# Altium PCB PCB-Tester-Board-V1.PcbDoc (part 2 of 3) (continued)
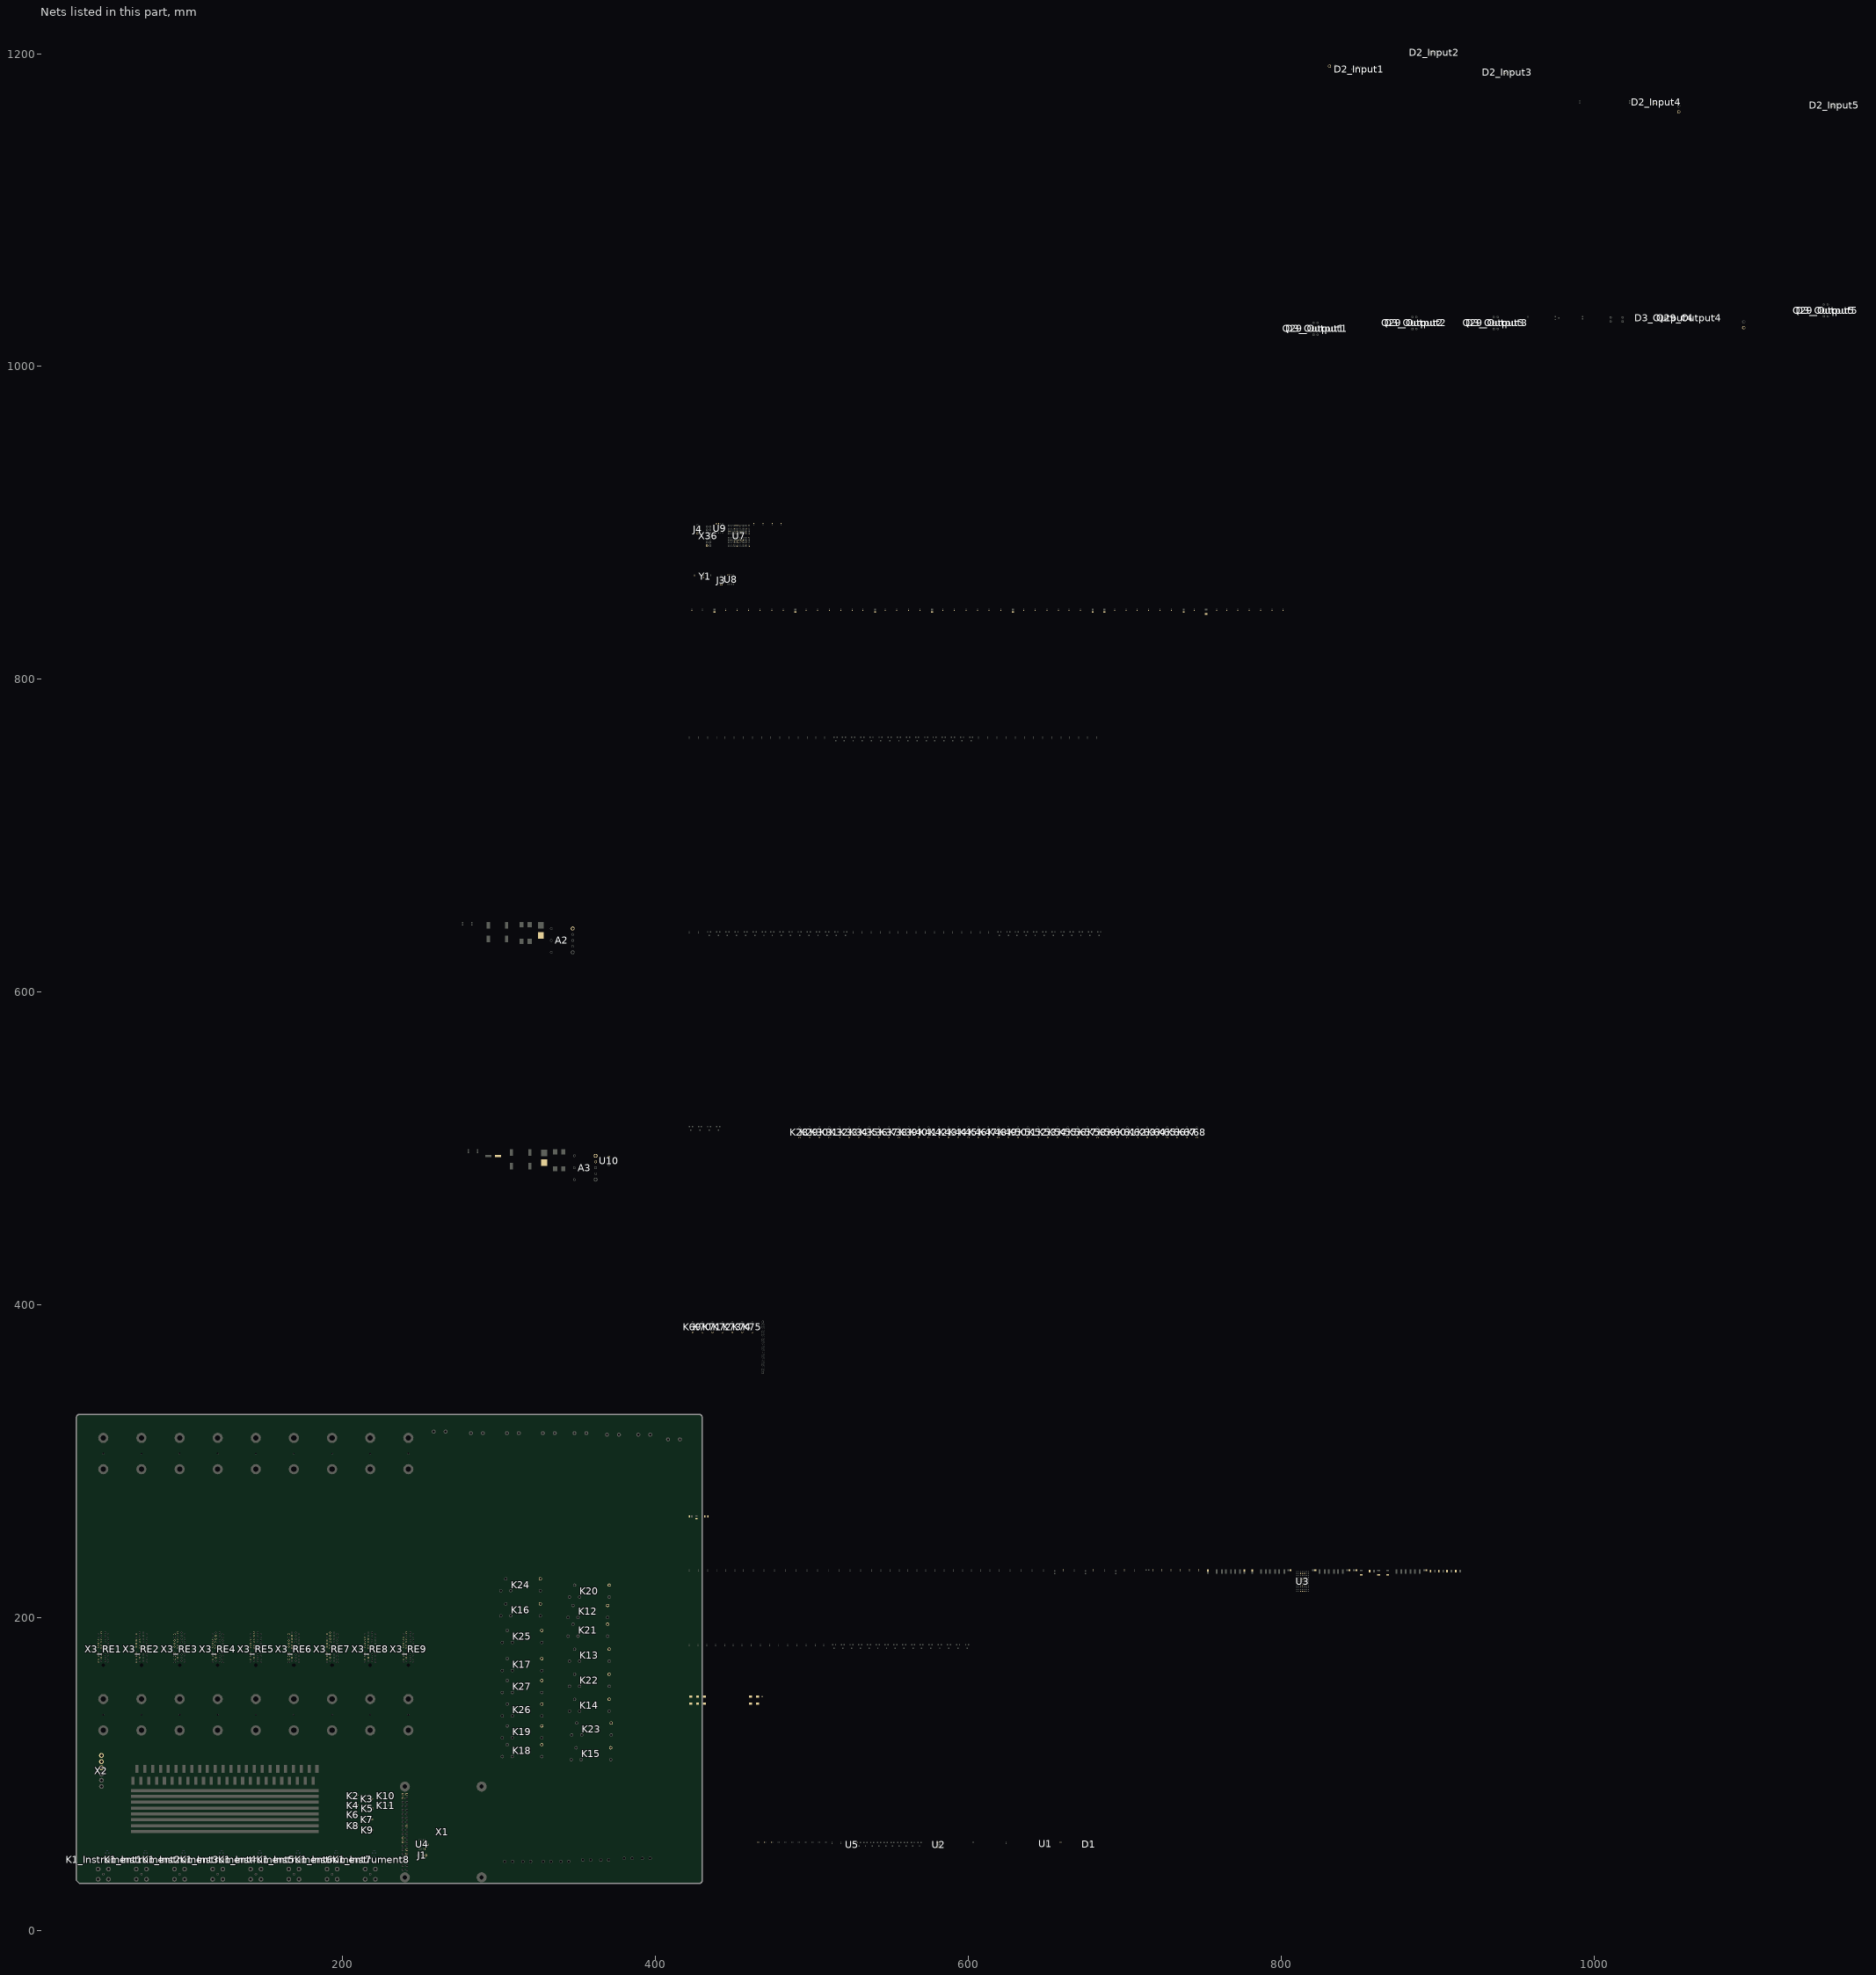
[diagram p2: the nets of this part, all layers, seen from the top]
## Part data (continued)
F1: library part Fuse, "FUSE BRD MNT 2.5A 125VAC/VDC SMD", 02. Distributor Part Number=F1306DKR-ND, 04. Manufacturer="Littelfuse Inc.", 07. Manufacturer  Part Number=015402.5DRT, 09. Operating Temperature="-55°C ~ 125°C", 01. Distributor=DigiKey, 03. Unit Price=2.75, 3D-Export=No, 11. RoHS=YES, 13. Created Date/Name="AUG 2018 / Hören", ComponentLink1Description=Info, ComponentLink1URL=https://www.digikey.de/products/en/circuit-protection/fuses/139?k=&pkeyword=&sv=0&pv7=243&sf=0&FV=ffec3b86%2Cffec4f0c%2Cffec8a72%2Cffec8a73%2Cfffc0012%2C55c00d7%2C1f140000%2Cffe0008b%2Cmu2.5A%7C2088&quantity=&ColumnSort=0&page=1&pageSize=25, ComponentLink2Description=DataSheet, ComponentLink2URL=https://www.littelfuse.com/~/media/electronics/datasheets/fuses/littelfuse_fuse_154_154t_154l_154tl_datasheet.pdf.pdf, Speed=SLOW
F2: library part Fuse, "FUSE BOARD MNT 3A 125VAC/VDC SMD", 02. Distributor Part Number=F10747DKR-ND, 04. Manufacturer="Littelfuse Inc.", 07. Manufacturer  Part Number=0154003.DRTL, 09. Operating Temperature="-55°C ~ 125°C", 01. Distributor=DigiKey, 03. Unit Price=2.84, 3D-Export=No, 11. RoHS=YES, 13. Created Date/Name="AUG 2018 / Hören", ComponentLink1Description=Info, ComponentLink1URL=https://www.digikey.de/product-detail/en/littelfuse-inc/0154003.DRTL/F10747DKR-ND/8109626, ComponentLink2Description=DataSheet, ComponentLink2URL=https://www.littelfuse.com/~/media/electronics/datasheets/fuses/littelfuse_fuse_154_154t_154l_154tl_datasheet.pdf.pdf, Speed=SLOW
J1 J3 J4: library part "Header 3Pins 100mil", "CONN HEADER VERT 3POS 2.54MM", 02. Distributor Part Number=HMTSW-103-07-G-S-240, 04. Manufacturer="Samtec Inc.", 01. Distributor="Samtec Inc.", 03. Unit Price=0.25, 07. Manufacturer  Part Number=HMTSW-103-07-G-S-240, 11. RoHS=YES, 13. Created Date/Name=AUG2018/Hören, ComponentLink1Description=Info, ComponentLink1URL=https://www.samtec.com/products/hmtsw-103-07-g-s-240, ComponentLink2Description=DataSheet, ComponentLink2URL=http://suddendocs.samtec.com/catalog_english/hmtsw.pdf
J2: library part NT, "Net Tie", 02. Distributor Part Number=N/A, 01. Distributor=N/A, 03. Unit Price=N/A, 04. Manufacturer=N/A, 05. Quantity=N/A, 06. Data Sheet=N/A, 07. Manufacturer  Part Number=N/A, 08. Inhouse Stock=N/A, 09. Operating Temperature=N/A, 10. Weight=N/A, 11. RoHS=N/A, 12.UL94 Flammability=N/A, 13. Created Date/Name=AUG2018/Hören, ComponentLink1Description=Info, ComponentLink2Description=DataSheet
J5 J6 J7 J8 J9 J10 J11 J12: library part "Jumper SMD", "RES SMD 0 OHM JUMPER 1/10W 0603", 02. Distributor Part Number=311-0.0GRDKR-ND, 04. Manufacturer=Yageo, 07. Manufacturer  Part Number=RC0603JR-070RL, 09. Operating Temperature="-55°C ~ 155°C", Package=0603, 01. Distributor=DigiKey, 03. Unit Price=0.09, 11. RoHS=YES, ComponentLink4Description=Info, ComponentLink4URL=https://www.digikey.de/product-detail/en/yageo/RC0603JR-070RL/311-0.0GRDKR-ND/732569, ComponentLink5Description=DataSheet, ComponentLink5URL=http://www.yageo.com/documents/recent/PYu-RC_Group_51_RoHS_L_10.pdf, POPULATED=MNT
K1_Instrument1 K1_Instrument2 K1_Instrument3 K1_Instrument4 K1_Instrument5 K1_Instrument6 K1_Instrument7 K1_Instrument8 K2 K3 K4 K5 K6 K7 K8 K9 K10 K11 K28 K29 K30 K31 K32 K33 K34 K35 K36 K37 K38 K39 K40 K41 K42 K43 K44 K45 K46 K47 K48 K49 K50 K51 K52 K53 K54 K55 K56 K57 K58 K59 K60 K61 K62 K63 K64 K65 K66 K67 K68 K69 K70 K71 K72 K73 K74 K75: library part 118-1-A-5/2D, "5V Signal Relais, Normal Open", 04. Manufacturer=Pickering, 09. Operating Temperature="-20°C ~ +85°C", Coil Resistance="1500 Ohm", Coil Voltage=5V, Max Carry Current="1.2 A", Max Switch Current=1A, Max Switch Voltage=200V, Power Rating=15W, 01. Distributor=Pickering, 02. Distributor Part Number=118-1-A-5/2D, 03. Unit Price=2.60, 05. Quantity=1000, 06. Data Sheet=Pickering_series_118.pdf, 07. Manufacturer  Part Number=118-1-A-5/2D, 11. RoHS=2011/65/EU, 13. Created Date/Name="20.12.17 S. Kaiser", ComponentLink1Description=Info, ComponentLink1URL=http://www.pickeringrelay.com/, ComponentLink2Description=DataSheet, ComponentLink2URL=https://www.pickeringrelay.com/products/single-line-sil-series-111-119/single-line-sil-series-118/
K12 K13 K14 K15 K16 K17 K18 K19 K20 K21 K22 K23 K24 K25 K26 K27: library part HF118F005-1ZS1, "5V Power Relay, switch over", 02. Distributor Part Number=176-2821, 04. Manufacturer="Hongfa Europe GMBH", 07. Manufacturer  Part Number=HF118F/005-1ZS1T(136), 09. Operating Temperature=-xx..+yy°C, Coil Resistance=113O, Coil Voltage=5V, Max Carry Current=10A, Max Switch Voltage=440Vac/125Vdc, Power Rating=300Wdc/2.5KVAac, 01. Distributor=RS-Components, 03. Unit Price=2.60, 11. RoHS=YES, 13. Created Date/Name=AUG2018/Hören, ComponentLink1Description=Info, ComponentLink1URL=https://de.rs-online.com/web/p/monostabile-relais/1762821/, ComponentLink2Description=DataSheet, ComponentLink2URL=https://docs.rs-online.com/c37d/0900766b81663e9a.pdf, Max Switch Current=10A
L1: library part FB, "FERRITE BEAD 600 OHM 0805 1LN", 02. Distributor Part Number=732-1620-6-ND, 04. Manufacturer="Würth Elektronik", 07. Manufacturer  Part Number=742792040, 09. Operating Temperature="-55°C ~ 125°C", Impedance Tolerance=%, Package=0805, 01. Distributor=DigiKey, 03. Unit Price=0.22, 11. RoHS=YES, 13. Created Date/Name=AUG2018/Hören, ComponentLink1Description=Info, ComponentLink1URL=https://www.digikey.de/products/en?keywords=732-1620-6-ND, ComponentLink2Description=DataSheet, ComponentLink2URL=https://www.we-online.de/katalog/datasheet/742792040.pdf, DCR=150m?, IRMS=2A, Nominal Impedance="600? @ 100MHz"
L2 L3: library part ACM1211-102-2PL-TL01, "CMC 6A 2LN 1 KOHM SMD", 02. Distributor Part Number=445-2213-2-ND, 04. Manufacturer=TDK, 09. Operating Temperature="-40°C ~ 85°C", Current Rating=6A, Voltage Rating=80V, 01. Distributor=DigiKey, 03. Unit Price=0.953, 3D-Export=No, 05. Quantity=500, 07. Manufacturer  Part Number=ACM1211-102-2PL-TL01, 11. RoHS=YES, 13. Created Date/Name="AUG 2018 / Hören", ComponentLink1Description=Info, ComponentLink1URL=https://www.digikey.de/product-detail/en/tdk-corporation/ACM1211-102-2PL-TL01/445-2213-2-ND/765031, ComponentLink2Description=DataSheet, ComponentLink2URL=https://product.tdk.com/info/en/catalog/datasheets/cmf_commercial_power_acm1211_en.pdf, DCR=14mOhm, Type="Power Line"
Q1 Q2 Q3 Q4 Q5 Q6 Q7 Q8 Q9 Q10 Q11 Q12 Q13 Q14 Q15 Q16 Q17 Q18 Q19 Q20 Q21 Q22 Q23 Q24 Q25 Q26 Q27 Q28 Q30_Output1 Q30_Output2 Q30_Output3 Q30_Output4 Q30_Output5 Q31 Q32 Q33 Q34 Q35 Q36 Q37 Q38 Q39 Q40 Q41 Q42 Q43 Q44 Q45 Q46 Q47 Q48 Q49 Q50 Q51 Q52 Q53 Q54 Q55 Q56 Q57 Q58 Q59 Q60 Q61 Q62 Q63 Q64 Q65 Q66 Q67 Q68 Q69 Q70 Q71 Q72 Q73 Q74 Q75 Q76 Q77_Instrument1 Q77_Instrument2 Q77_Instrument3 Q77_Instrument4 Q77_Instrument5 Q77_Instrument6 Q77_Instrument7 Q77_Instrument8: library part FDV303N, "MOSFET N-CH 25V 680MA SOT-23", 02. Distributor Part Number=FDV303NDKR-ND, 04. Manufacturer="ON Semiconductor", 09. Operating Temperature="-55°C ~ 150°C (TJ)", Power Rating=350mW, 01. Distributor=DigiKey, 03. Unit Price=0.41, 3D-Export=No, 07. Manufacturer  Part Number=FDV303N, 11. RoHS=YES, 13. Created Date/Name="AUG 2018 / Hören", ComponentLink1Description=Info, ComponentLink1URL=https://www.digikey.de/product-detail/en/on-semiconductor/FDV303N/FDV303NDKR-ND/1630434, ComponentLink2Description=DataSheet, ComponentLink2URL=https://media.digikey.com/pdf/Data%20Sheets/Fairchild%20PDFs/FDV303N.pdf, Id=680mA, Rds On="450 m? @ id=500mA & Vgs=4.5V", Vdss=25V, Vgs,th="1.5V @ 250uA"
Q29_Output1 Q29_Output2 Q29_Output3 Q29_Output4 Q29_Output5: library part MMSS8550-L-TP, "TRANS PNP 25V 1.5A SOT-23", 02. Distributor Part Number=MMSS8550-L-TPMSDKR-ND, 04. Manufacturer="Micro Commercial Co", 09. Operating Temperature="-55°C ~ 150°C (TJ)", Package=SOT23-3, 01. Distributor=DigiKey, 03. Unit Price=0.17, 07. Manufacturer  Part Number=MMSS8550-L-TP, 11. RoHS=YES, 13. Created Date/Name="AUG 2018 / Hören", ComponentLink1Description=Info, ComponentLink1URL=https://www.digikey.de/product-detail/en/micro-commercial-co/MMSS8550-L-TP/MMSS8550-L-TPMSDKR-ND/2827206, ComponentLink2Description=DataSheet, ComponentLink2URL=https://www.mccsemi.com/pdf/Products/MMSS8550(SOT-23).pdf, HFE=ß=120
R1_Instrument1 R1_Instrument2 R1_Instrument3 R1_Instrument4 R1_Instrument5 R1_Instrument6 R1_Instrument7 R1_Instrument8 R2 R3 R4 R5 R6 R7 R8 R9 R10 R11 R13 R14 R15 R16 R17 R18 R19 R20 R21 R22 R23 R24 R25 R26 R27 R28 R29 R30 R31 R32 R33 R38_Output1 R38_Output2 R38_Output3 R38_Output4 R38_Output5 R48 R49 R50 R51 R52 R53 R54 R55 R56 R57 R58 R59 R60 R61 R62 R63 R64 R65 R66 R67 R68 R69 R70 R71 R72 R73 R74 R75 R76 R77 R78 R79 R80 R81 R82 R83 R84 R85 R86 R87 R88 R89 R90 R91 R92 R93: "Resistor", 09. Operating Temperature=-xx..+yy°C, Tolerance=±1%, 11. RoHS=???, 13. Created Date/Name=AUG2018/Hören, ComponentLink1Description=Info, ComponentLink2Description=DataSheet
R12: "RES SMD 15 OHM 1% 1/10W 0402", 02. Distributor Part Number=P15.0LDKR-ND, 04. Manufacturer="Panasonic Electronic Components", 07. Manufacturer  Part Number=ERJ-2RKF15R0X, 09. Operating Temperature="-55°C ~ 155°C", Package=0402, Power Rating=0.1W, Tolerance=±1%, 01. Distributor=DigiKey, 03. Unit Price=0.09, 11. RoHS=YES, 13. Created Date/Name=AUG2018/Hören, ComponentLink1Description=Info, ComponentLink1URL=https://www.digikey.de/product-detail/en/panasonic-electronic-components/ERJ-2RKF15R0X/P15.0LDKR-ND/575530, ComponentLink2Description=DataSheet, ComponentLink2URL=https://industrial.panasonic.com/cdbs/www-data/pdf/RDA0000/AOA0000C304.pdf, Type="Thick Film"
R34_Input1 R34_Input2 R34_Input3 R34_Input4 R34_Input5: "RES SMD 10.2K OHM 1% 1/10W 0603", 02. Distributor Part Number=311-10.2KHRDKR-ND, 04. Manufacturer=Yageo, 07. Manufacturer  Part Number=RC0603FR-0710K2L, 09. Operating Temperature="-55°C ~ 155°C", Package=0603, Power Rating=0.1W, Tolerance=±1%, 01. Distributor=DigiKey, 03. Unit Price=0.09, 11. RoHS=YES, 13. Created Date/Name=AUG2018/Hören, ComponentLink1Description=Info, ComponentLink2Description=DataSheet, Type="Thick Film"
R35_Input1 R35_Input2 R35_Input3 R35_Input4 R35_Input5: "RES SMD 1.62K OHM 1% 1/10W 0603", 02. Distributor Part Number=311-1.62KHRDKR-ND, 04. Manufacturer=Yageo, 07. Manufacturer  Part Number=RC0603FR-071K62L, 09. Operating Temperature="-55°C ~ 155°C", Package=0603, Power Rating=0.1W, Tolerance=±1%, 01. Distributor=DigiKey, 03. Unit Price=0.09, 11. RoHS=YES, 13. Created Date/Name=AUG2018/Hören, ComponentLink1Description=Info, ComponentLink2Description=DataSheet, Type="Thick Film"
R36_Output1 R36_Output2 R36_Output3 R36_Output4 R36_Output5: "RES SMD 20K OHM 5% 1/10W 0603", 02. Distributor Part Number=311-20KGRDKR-ND, 04. Manufacturer=Yageo, 07. Manufacturer  Part Number=RC0603JR-0720KL, 09. Operating Temperature="-55°C ~ 155°C", Package=0603, Power Rating=0.1W, Tolerance=±5%, 01. Distributor=DigiKey, 03. Unit Price=0.09, 11. RoHS=YES, 13. Created Date/Name=AUG2018/Hören, ComponentLink1Description=Info, ComponentLink2Description=DataSheet, Type="Thick Film"
R37_Output1 R37_Output2 R37_Output3 R37_Output4 R37_Output5: "RES SMD 56K OHM 5% 1/10W 0603", 02. Distributor Part Number=P56KGDKR-ND, 04. Manufacturer="Panasonic Electronic Components", 07. Manufacturer  Part Number=ERJ-3GEYJ563V, 09. Operating Temperature="-55°C ~ 155°C", Package=0603, Power Rating=0.1W, Tolerance=±5%, 01. Distributor=DigiKey, 03. Unit Price=0.09, 11. RoHS=YES, 13. Created Date/Name=AUG2018/Hören, ComponentLink1Description=Info, ComponentLink1URL=https://www.digikey.de/product-detail/en/panasonic-electronic-components/ERJ-3GEYJ563V/P56KGDKR-ND/577742, ComponentLink2Description=DataSheet, Type="Thick Film"
R39: "RES SMD 1.8K OHM 0.1% 1/5W 0603", 02. Distributor Part Number=P19999DKR-ND, 04. Manufacturer="Panasonic Electronic Components", 07. Manufacturer  Part Number=ERJ-PB3B1801V, 09. Operating Temperature="-55°C ~ 155°C", Package=0603, Power Rating=200mW, Tolerance=±0.1%, 01. Distributor=DigiKey, 03. Unit Price=0.22, 3D-Export=No, 11. RoHS=YES, 13. Created Date/Name=AUG2018/Hören, ComponentLink1Description=Info, ComponentLink1URL=https://www.digikey.de/product-detail/en/panasonic-electronic-components/ERJ-PB3B1801V/P19999DKR-ND/6215726, ComponentLink2Description=DataSheet, ComponentLink2URL=https://industrial.panasonic.com/cdbs/www-data/pdf/RDM0000/AOA0000C328.pdf
R40: "RES SMD 16.2 OHM 1% 1/10W 0603", 02. Distributor Part Number=311-16.2HRDKR-ND, 04. Manufacturer=Yageo, 07. Manufacturer  Part Number=RC0603FR-0716R2L, 09. Operating Temperature="-55°C ~ 155°C", Package=0603, Power Rating=100mW, Tolerance=±1%, 01. Distributor=DigiKey, 03. Unit Price=0.09, 3D-Export=No, 11. RoHS=YES, 13. Created Date/Name=AUG2018/Hören, ComponentLink1Description=Info, ComponentLink1URL=https://www.digikey.de/product-detail/en/yageo/RC0603FR-0716R2L/311-16.2HRDKR-ND/732860, ComponentLink2Description=DataSheet, ComponentLink2URL=http://www.yageo.com/documents/recent/PYu-RC_Group_51_RoHS_L_10.pdf, Type="Thick Film"
R41: "RES 8.56K OHM 0.1% 1/8W 0603", 02. Distributor Part Number=541-4554-6-ND, 04. Manufacturer="Vishay Dale", 07. Manufacturer  Part Number=TNPW06038K56BEEA, 09. Operating Temperature="-55°C ~ 155°C", Package=0603, Power Rating=125mW, Tolerance=±0.1%, 01. Distributor=DigiKey, 03. Unit Price=0.56, 3D-Export=No, 11. RoHS=YES, 13. Created Date/Name=AUG2018/Hören, ComponentLink1Description=Info, ComponentLink1URL=https://www.digikey.de/products/en/resistors/chip-resistor-surface-mount/52?k=&pkeyword=&sv=0&pv2085=u8.56+kOhms&pv3=370&sf=0&FV=ffe00034%2C1c00f3%2C1f140000&quantity=&ColumnSort=0&page=1&pageSize=25, ComponentLink2Description=DataSheet, ComponentLink2URL=http://www.vishay.com/docs/28758/tnpw_e3.pdf, Type="Thin Film"
R42: "RES SMD 16 OHM 1% 1/10W 0603", 02. Distributor Part Number=311-16.0HRDKR-ND, 04. Manufacturer=Yageo, 07. Manufacturer  Part Number=RC0603FR-0716RL, 09. Operating Temperature="-55°C ~ 155°C", Package=0603, Power Rating=100mW, Tolerance=±1%, 01. Distributor=DigiKey, 03. Unit Price=0.09, 3D-Export=No, 11. RoHS=YES, 13. Created Date/Name=AUG2018/Hören, ComponentLink1Description=Info, ComponentLink1URL=https://www.digikey.de/product-detail/en/yageo/RC0603FR-0716RL/311-16.0HRDKR-ND/732858, ComponentLink2Description=DataSheet, ComponentLink2URL=http://www.yageo.com/documents/recent/PYu-RC_Group_51_RoHS_L_10.pdf, Type="Thick Film"
R43: "RES SMD 33 OHM 1% 1/16W 0402", 02. Distributor Part Number=311-33.0LRDKR-ND, 04. Manufacturer=Yageo, 07. Manufacturer  Part Number=RC0402FR-0733RL, 09. Operating Temperature="-55°C ~ 155°C", Package=0402, Power Rating=63mW, Tolerance=±1%, 01. Distributor=DigiKey, 03. Unit Price=0.09, 11. RoHS=YES, 13. Created Date/Name=AUG2018/Hören, ComponentLink1Description=Info, ComponentLink1URL=https://www.digikey.de/products/en?keywords=311-33.0LRDKR-ND, ComponentLink2Description=DataSheet, Type="Thick Film"
R44 R46: "RES SMD 4.7K OHM 1% 1/16W 0402", 02. Distributor Part Number=311-4.7KLRDKR-ND, 04. Manufacturer=Yageo, 07. Manufacturer  Part Number=RC0402FR-074K7L, 09. Operating Temperature="-55°C ~ 155°C", Package=0402, Power Rating=63mW, Tolerance=±1%, 01. Distributor=DigiKey, 03. Unit Price=0.09, 11. RoHS=YES, 13. Created Date/Name=AUG2018/Hören, ComponentLink1Description=Info, ComponentLink1URL=https://www.digikey.de/products/en?keywords=311-4.7KLRDKR-ND, ComponentLink2Description=DataSheet, Type="Thick Film"
R45: "RES SMD 330 OHM 1% 1/16W 0402", 02. Distributor Part Number=311-330LRDKR-ND, 04. Manufacturer=Yageo, 07. Manufacturer  Part Number=RC0402FR-07330RL, 09. Operating Temperature="-55°C ~ 155°C", Package=0402, Power Rating=63mW, Tolerance=±1%, 01. Distributor=DigiKey, 03. Unit Price=0.09, 11. RoHS=YES, 13. Created Date/Name=AUG2018/Hören, ComponentLink1Description=Info, ComponentLink1URL=https://www.digikey.de/products/en?keywords=311-330LRDKR-ND, ComponentLink2Description=DataSheet, Type="Thick Film"
R47: "RES SMD 2.4K OHM 1% 1/16W 0402", 02. Distributor Part Number=311-2.40KLRDKR-ND, 04. Manufacturer=Yageo, 07. Manufacturer  Part Number=RC0402FR-072K4L, 09. Operating Temperature="-55°C ~ 155°C", Package=0402, Power Rating=63mW, Tolerance=±1%, 01. Distributor=DigiKey, 03. Unit Price=0.09, 11. RoHS=YES, 13. Created Date/Name=AUG2018/Hören, ComponentLink1Description=Info, ComponentLink2Description=DataSheet, Type="Thick Film"
R94 R95 R96 R97 R107 R108 R109 R110 R111 R114 R117 R120: "RES SMD 10K OHM 1% 1/16W 0402", 02. Distributor Part Number=311-10.0KLRDKR-ND, 04. Manufacturer=Yageo, 07. Manufacturer  Part Number=RC0402FR-0710KL, 09. Operating Temperature="-55°C ~ 155°C", Package=0402, Power Rating=63mW, Tolerance=±1%, 01. Distributor=DigiKey, 03. Unit Price=0.09, 11. RoHS=YES, 13. Created Date/Name=AUG2018/Hören, ComponentLink1Description=Info, ComponentLink1URL=https://www.digikey.de/products/en?keywords=311-10.0KLRDKR-ND, ComponentLink2Description=DataSheet, Type="Thick Film"
R98: "RES SMD 100K OHM 1% 1/16W 0402", 02. Distributor Part Number=311-100KLRDKR-ND, 04. Manufacturer=Yageo, 07. Manufacturer  Part Number=RC0402FR-07100KL, 09. Operating Temperature="-55°C ~ 155°C", Package=0402, Power Rating=63mW, Tolerance=±1%, 01. Distributor=DigiKey, 03. Unit Price=0.09, 11. RoHS=YES, 13. Created Date/Name=AUG2018/Hören, ComponentLink1Description=Info, ComponentLink2Description=DataSheet, Type="Thick Film"
R99 R101 R103 R105: "RES SMD 1.65K OHM 1% 1/16W 0402", 02. Distributor Part Number=YAG3043DKR-ND, 04. Manufacturer=Yageo, 07. Manufacturer  Part Number=RC0402FR-071K65L, 09. Operating Temperature="-55°C ~ 155°C", Package=0402, Power Rating=63mW, Tolerance=±1%, 01. Distributor=DigiKey, 03. Unit Price=0.09, 11. RoHS=YES, 13. Created Date/Name=AUG2018/Hören, ComponentLink1Description=Info, ComponentLink1URL=https://www.digikey.de/product-detail/en/yageo/RC0402FR-071K65L/YAG3043DKR-ND/5282914, ComponentLink2Description=DataSheet, Type="Thick Film"
R100 R102 R104 R106 R112 R115 R118 R121: "RES SMD 0 OHM JUMPER 1/16W 0402", 02. Distributor Part Number=311-0.0JRDKR-ND, 04. Manufacturer=Yageo, 07. Manufacturer  Part Number=RC0402JR-070RL, 09. Operating Temperature="-55°C ~ 155°C", Package=0402, Power Rating=63mW, 01. Distributor=DigiKey, 03. Unit Price=0.09, 11. RoHS=YES, 13. Created Date/Name=AUG2018/Hören, ComponentLink1Description=Info, ComponentLink1URL=https://www.digikey.de/products/en?keywords=311-0.0JRDKR-ND, ComponentLink2Description=DataSheet, Type="Thick Film"
R113: "RES SMD 13.3K OHM 1% 1/16W 0402", 02. Distributor Part Number=YAG2974DKR-ND, 04. Manufacturer=Yageo, 07. Manufacturer  Part Number=RC0402FR-0713K3L, 09. Operating Temperature="-55°C ~ 155°C", Package=0402, Power Rating=63mW, Tolerance=±1%, 01. Distributor=DigiKey, 03. Unit Price=0.09, 11. RoHS=YES, 13. Created Date/Name=AUG2018/Hören, ComponentLink1Description=Info, ComponentLink1URL=https://www.digikey.de/products/en?keywords=YAG2974DKR-ND, ComponentLink2Description=DataSheet, Type="Thick Film"
R116: "RES SMD 19.1K OHM 1% 1/16W 0402", 02. Distributor Part Number=311-19.1KLRDKR-ND, 04. Manufacturer=Yageo, 07. Manufacturer  Part Number=RC0402FR-0719K1L, 09. Operating Temperature="-55°C ~ 155°C", Package=0402, Power Rating=63mW, Tolerance=±1%, 01. Distributor=DigiKey, 03. Unit Price=0.09, 11. RoHS=YES, 13. Created Date/Name=AUG2018/Hören, ComponentLink1Description=Info, ComponentLink2Description=DataSheet, Type="Thick Film"
R119: "RES SMD 30.1K OHM 1% 1/16W 0402", 02. Distributor Part Number=311-30.1KLRDKR-ND, 04. Manufacturer=Yageo, 07. Manufacturer  Part Number=RC0402FR-0730K1L, 09. Operating Temperature="-55°C ~ 155°C", Package=0402, Power Rating=63mW, Tolerance=±1%, 01. Distributor=DigiKey, 03. Unit Price=0.09, 11. RoHS=YES, 13. Created Date/Name=AUG2018/Hören, ComponentLink1Description=Info, ComponentLink1URL=https://www.digikey.de/products/en?keywords=311-30.1KLRDKR-ND, ComponentLink2Description=DataSheet, Type="Thick Film"
R122: "RES SMD 90.9K OHM 1% 1/16W 0402", 02. Distributor Part Number=311-90.9KLRDKR-ND, 04. Manufacturer=Yageo, 07. Manufacturer  Part Number=RC0402FR-0790K9L, 09. Operating Temperature="-55°C ~ 155°C", Package=0402, Power Rating=63mW, Tolerance=±1%, 01. Distributor=DigiKey, 03. Unit Price=0.09, 11. RoHS=YES, 13. Created Date/Name=AUG2018/Hören, ComponentLink1Description=Info, ComponentLink2Description=DataSheet, Type="Thick Film"
U1: library part AD8627, "IC OPAMP JFET 5MHZ RRO SC70-5", 02. Distributor Part Number=AD8627AKSZ-R2DKR-ND, 04. Manufacturer="Analog Devices Inc.", 07. Manufacturer  Part Number=AD8627AKSZ-R2, 09. Operating Temperature="-40°C ~ 85°C", Package=SC70-5, 01. Distributor=DigiKey, 03. Unit Price=5.15, 11. RoHS=YES, 13. Created Date/Name="AUG 2018 / Hören", ComponentLink1Description=Info, ComponentLink1URL=https://www.digikey.de/product-detail/en/analog-devices-inc/AD8627AKSZ-R2/AD8627AKSZ-R2DKR-ND/3878640, ComponentLink2Description=DataSheet, ComponentLink2URL=http://www.analog.com/media/en/technical-documentation/data-sheets/AD8625_8626_8627.pdf, Part=AD8627
U2: library part MCP33151-10T-E/MN, "14-BIT 1 MSPS SGL CH SGL-ENDED S", 02. Distributor Part Number=MCP33151-10T-E/MNDKR-ND, 04. Manufacturer="Microchip Technology", Package="10-WFDFN Exposed Pad", 01. Distributor=DigiKey, 03. Unit Price=4.5, 07. Manufacturer  Part Number=MCP33151-10T-E/MN, 11. RoHS=YES, 13. Created Date/Name="AUG 2018 / Hören", ComponentLink1Description=Info, ComponentLink1URL=https://www.digikey.de/product-detail/en/microchip-technology/MCP33151-10T-E-MN/MCP33151-10T-E-MNDKR-ND/10270414, ComponentLink2Description=DataSheet, ComponentLink2URL=http://ww1.microchip.com/downloads/en/DeviceDoc/MCP33151-XX-Family-Data-Sheet-DS20006220A.pdf, NicName=MCP33151
U3: library part LTM4644, "DC DC CONVERTER 4X0.6-5.5V", 02. Distributor Part Number=LTM4644EY#PBF-ND, 04. Manufacturer="Linear Technology/Analog Devices", 07. Manufacturer  Part Number=LTM4644EY#PBF, 09. Operating Temperature="-40°C ~ 125°C", MFR="LINEAR TECHNOLOGY", 01. Distributor=DigiKey, 03. Unit Price=39.30, 11. RoHS=YES, ComponentLink4Description=Info, ComponentLink4URL=https://www.digikey.de/products/en?keywords=LTM4644EY%23PBF, ComponentLink5Description=DataSheet, ComponentLink5URL=http://www.analog.com/media/en/technical-documentation/data-sheets/4644fe.pdf, MFR-PN=LTM4644EY#PBF, NicName=LTM4644, POPULATED=yes
U4: library part 24LC256T-I/SN, "IC EEPROM 256K I2C 400KHZ 8SOIC", 02. Distributor Part Number=24LC256T-I/SNDKR-ND, 04. Manufacturer="Microchip Technology", Package=SOIC8, 01. Distributor=DigiKey, 03. Unit Price=0.71, 07. Manufacturer  Part Number=24LC256T-I/SN, 11. RoHS=YES, 13. Created Date/Name="AUG 2018 / Hören", ComponentLink1Description=Info, ComponentLink1URL=https://www.digikey.de/product-detail/en/microchip-technology/24LC256T-I-SN/24LC256T-I-SNDKR-ND/1850685, ComponentLink2Description=DataSheet, ComponentLink2URL=http://ww1.microchip.com/downloads/en/DeviceDoc/24AA256-24LC256-24FC256-Data-Sheet-20001203W.pdf
U5: library part LT1790BCS6-5, "IC VREF SERIES 5V, 0.1% TSOT-23-6", 02. Distributor Part Number=LT1790BCS6-5#TRMPBFDKR-ND, 04. Manufacturer="Linear Technology/Analog Devices", 07. Manufacturer  Part Number=LT1790BCS6-5#TRMPBF, 09. Operating Temperature="0°C ~ 70°C (TA)", 01. Distributor=DigiKey, 03. Unit Price=2.86, 11. RoHS=YES, 13. Created Date/Name="AUG 2018 / Hören", ComponentLink1Description=Info, ComponentLink1URL=https://www.digikey.de/product-detail/en/linear-technology-analog-devices/LT1790BCS6-5-TRMPBF/LT1790BCS6-5-TRMPBFDKR-ND/1618066, ComponentLink2Description=DataSheet, ComponentLink2URL=https://www.analog.com/media/en/technical-documentation/data-sheets/1790fc.pdf, NicName=LT1790BCS6-5
U6_Output1 U6_Output2 U6_Output3 U6_Output4 U6_Output5: library part G3VM-61A1, "SSR RELAY SPST-NO 500MA 0-60V", 02. Distributor Part Number=Z2100-ND, 04. Manufacturer="Omron Electronics Inc-EMC Div", Package=4DIP, 01. Distributor=DigiKey, 03. Unit Price=2.26, 07. Manufacturer  Part Number=G3VM-61A1, 11. RoHS=YES, 13. Created Date/Name="AUG 2018 / Hören", ComponentLink1Description=Info, ComponentLink1URL=https://www.digikey.de/products/en?keywords=G3VM-61A1, ComponentLink2Description=DataSheet, ComponentLink2URL=https://omronfs.omron.com/en_US/ecb/products/pdf/en-g3vm_61a1_d1.pdf, NicName=G3VM-61A1
U7: library part XC7A15T-CS324, "XC7A15T-1CSG324C", 04. Manufacturer=XILINX, 09. Operating Temperature="0°C ~ 85°C (TJ)", 01. Distributor=Avnet, 02. Distributor Part Number=XC7A15T-1CSG324C, 03. Unit Price=20.65, 07. Manufacturer  Part Number=XC7A15T-1CSG324C, 11. RoHS=YES, ComponentLink4Description=Info, ComponentLink4URL=https://www.digikey.de/products/en?keywords=XC7A15T-1CSG324C, ComponentLink5Description=DataSheet, ComponentLink5URL=https://www.xilinx.com/support/documentation/data_sheets/ds181_Artix_7_Data_Sheet.pdf, ComponentLink6Description=NXP, ComponentLink6URL=https://www.nxp.com/part/MK20DN512VMD10, MFR=XILINX, MFR-PN=XC7A15T-CS324, NicName=XC7A15T, POPULATED=yes
U8 U9: library part MX25R3235FM1IH0, "IC FLASH 32M SPI 80MHZ 8SOP", 13. Created Date/Name="AUG 2018 / Hören", ComponentLink1Description=Info, ComponentLink1URL=https://www.digikey.de/product-detail/en/macronix/MX25R3235FM1IH0/1092-1175-ND/5957736, ComponentLink2Description=DataSheet, ComponentLink2URL=https://www.macronix.com/Lists/Datasheet/Attachments/7534/MX25R3235F%2c%20Wide%20Range%2c%2032Mb%2c%20v1.6.pdf
U10: library part "TSR 2-2450", "DC DC CONVERTER 5V 10W", 02. Distributor Part Number=1951-2692-ND, 04. Manufacturer="Traco Power", Package=3SIP, 01. Distributor=DigiKey, 03. Unit Price=11.31, 07. Manufacturer  Part Number="TSR 2-2450", 11. RoHS=YES, 13. Created Date/Name="AUG 2018 / Hören", ComponentLink1Description=Info, ComponentLink1URL=https://www.digikey.de/products/en/power-supplies-board-mount/dc-dc-converters/922?k=TSR2&k=&pkeyword=TSR2&sv=0&pv1525=249171&sf=0&FV=-8%7C922&quantity=&ColumnSort=0&page=1&pageSize=25, ComponentLink2Description=DataSheet, ComponentLink2URL=https://www.tracopower.com/products/tsr2.pdf
X1: library part "RPI4B Footprint", "40 Position Elevated Socket Connector  Through Hole", 02. Distributor Part Number=ESW-120-23-L-D-LL, 04. Manufacturer="Samtec Inc.", 01. Distributor=Samtec, 03. Unit Price=5.34, 13. Created Date/Name="??? / Hören", ComponentLink1Description=Info, ComponentLink1URL=https://www.samtec.com/products/esw-120-23-l-d-ll, ComponentLink2Description=DataSheet, ComponentLink2URL=http://suddendocs.samtec.com/catalog_english/esw_th.pdf, System=Connector
X2: library part B6PS-VH, "CONN HEADER R/A 6POS 3.96MM", 02. Distributor Part Number=455-1652-ND, 04. Manufacturer="JST Sales America Inc.", 07. Manufacturer  Part Number=B6PS-VH(LF)(SN), 09. Operating Temperature="-25°C ~ 85°C", 01. Distributor=DigiKey, 03. Unit Price=0.38, 11. RoHS=YES, 13. Created Date/Name="AUG 2018 / Hören", ComponentLink1Description=Info, ComponentLink1URL=https://www.digikey.de/product-detail/en/jst-sales-america-inc/B6PS-VH-LF-SN/455-1652-ND/926559, ComponentLink2Description=DataSheet, ComponentLink2URL=http://www.jst-mfg.com/product/pdf/eng/eVH.pdf, System=Connector
X3_RE1 X3_RE2 X3_RE3 X3_RE4 X3_RE5 X3_RE6 X3_RE7 X3_RE8 X3_RE9: library part PCIE-036-02-F-D-TH, "CONN PCI EXP FMALE 36POS 0.039", 02. Distributor Part Number=SAM10625-ND, 04. Manufacturer="Samtec Inc.", 01. Distributor=DigiKey, 03. Unit Price=1.76, 07. Manufacturer  Part Number=PCIE-036-02-F-D-TH, 13. Created Date/Name="??? / Hören", ComponentLink1Description=Info, ComponentLink1URL=https://www.digikey.de/products/en?keywords=PCIE-036-02-F-D-TH, ComponentLink2Description=DataSheet, ComponentLink2URL=http://suddendocs.samtec.com/catalog_english/pcie.pdf, System=Connector
X4 X7 X10 X15 X17 X21 X25 X27: library part 691352710002, "TERM BLOCK PLUG 2POS STR 5MM", 13. Created Date/Name="??? / Hören", ComponentLink1Description=Info, ComponentLink1URL=https://www.digikey.de/products/en?keywords=691352710002, ComponentLink2Description=DataSheet, ComponentLink2URL=https://www.we-online.de/katalog/datasheet/6913527100xx.pdf, System=Connector
X5 X8 X11 X14 X18 X20 X23 X26: library part 1731721, "TERM BLK 2P SIDE ENT 7.62MM PCB", 02. Distributor Part Number=277-5849-ND, 04. Manufacturer="Phoenix Contact", 01. Distributor=DigiKey, 03. Unit Price=2.12, 07. Manufacturer  Part Number=1731721, 11. RoHS=YES, 13. Created Date/Name="JAN 2019 / Hören", ComponentLink1Description=Info, ComponentLink1URL=https://www.digikey.de/products/en?keywords=1731721, ComponentLink2Description=DataSheet, ComponentLink2URL=https://media.digikey.com/pdf/Data%20Sheets/Phoenix%20Contact%20PDFs/1731721.pdf, System=Connector
X6 X9 X12 X13 X16 X19 X22 X24: library part 691312710002, "TERM BLOCK HDR 2POS 90DEG 5MM", 02. Distributor Part Number=732-2805-ND, 04. Manufacturer="Würth Elektronik", 01. Distributor=DigiKey, 03. Unit Price=0.244, 07. Manufacturer  Part Number=691312710002, 13. Created Date/Name="??? / Hören", ComponentLink1Description=Info, ComponentLink2Description=DataSheet, System=Connector
X28: library part TFC-124-01-F-D-LC, "CONN HEADER TH STRAIGHT 48POS 1.27MM", 04. Manufacturer="Samtec Inc.", 01. Distributor=Samtec, 02. Distributor Part Number=TFC-124-01-F-D-LC, 03. Unit Price=5, 07. Manufacturer  Part Number=TFC-124-01-F-D-LC, 11. RoHS=YES, 13. Created Date/Name="??? / Hören", ComponentLink1Description=Info, ComponentLink1URL=https://www.samtec.com/products/tfc-124-01-f-d-lc, ComponentLink2Description=DataSheet, System=Connector
X29: library part CONFIG48, "PCB Tester Configuration Matrix for 48 Relays over 8 ABUSes", 13. Created Date/Name="??? / Hören", ComponentLink1Description=Info, ComponentLink2Description=DataSheet
X31_Input1 X31_Input2 X31_Input3 X31_Input4 X31_Input5 X33_Output1 X33_Output2 X33_Output3 X33_Output4 X33_Output5: library part 691322310002, "TERM BLOCK HDR 2POS 90DEG 3.81MM", 02. Distributor Part Number=732-2088-ND, 04. Manufacturer="Würth Elektronik", 01. Distributor=DigiKey, 03. Unit Price=0.32, 07. Manufacturer  Part Number=691322310002, 11. RoHS=YES, 13. Created Date/Name="??? / Hören", ComponentLink1Description=Info, ComponentLink1URL=https://www.digikey.de/products/en?keywords=691322310002, ComponentLink2Description=DataSheet, ComponentLink2URL=https://media.digikey.com/pdf/Data%20Sheets/Wurth%20Electronics%20PDFs/Terminal%20Blocks%20WR-TBL.pdf, System=Connector
X32_Input1 X32_Input2 X32_Input3 X32_Input4 X32_Input5 X34_Output1 X34_Output2 X34_Output3 X34_Output4 X34_Output5: library part 691361300002, "TERM BLOCK PLUG 2POS STR 3.81MM", 13. Created Date/Name="??? / Hören", ComponentLink1Description=Info, ComponentLink1URL=https://www.digikey.de/products/en?keywords=691361300002, ComponentLink2Description=DataSheet, ComponentLink2URL=https://media.digikey.com/pdf/Data%20Sheets/Wurth%20Electronics%20PDFs/Terminal%20Blocks%20WR-TBL.pdf, System=Connector
X36: library part LTMM-107-02-F-D, "CONN HEADER VERT 14POS 2MM", 02. Distributor Part Number=LTMM-107-02-F-D-ND, 04. Manufacturer="Samtec Inc.", 01. Distributor=DigiKey, 03. Unit Price=2.38, 07. Manufacturer  Part Number=LTMM-107-02-F-D, 11. RoHS=YES, 13. Created Date/Name="??? / Hören", ComponentLink1Description=Info, ComponentLink1URL=https://www.digikey.de/product-detail/en/samtec-inc/LTMM-107-02-F-D/LTMM-107-02-F-D-ND/8723899, ComponentLink2Description=DataSheet, ComponentLink2URL=https://www.samtec.com/products/ltmm, NickName=JTAG, System=Connector
Y1: library part ASE-25.000MHZ-LC-T, "XTAL OSC XO 25.0000MHZ CMOS SMD", 02. Distributor Part Number=535-9568-1-ND, 04. Manufacturer="Abracon LLC", Frequency=25MHz, Package=4SMD, 01. Distributor=DigiKey, 03. Unit Price=1.46, 07. Manufacturer  Part Number=ASE-25.000MHZ-LC-T, 11. RoHS=YES, 13. Created Date/Name="AUG 2018 / Hören", ComponentLink1Description=Info, ComponentLink1URL=https://www.digikey.de/products/en?keywords=535-9568-1-ND, ComponentLink2Description=DataSheet
Z1 Z2 Z3 Z4: library part HSM2.5-6.4-16-2, "HEX STANDOFF M2.5 BRASS 16MM", 02. Distributor Part Number=HSM2.5-6.4-16-2-ND, 04. Manufacturer="Essentra Components", 01. Distributor=DigiKey, 03. Unit Price=2.69, 07. Manufacturer  Part Number=HSM2.5-6.4-16-2, 13. Created Date/Name="??? / Hören", ComponentLink1Description=Info, ComponentLink1URL=https://www.digikey.de/products/en/hardware-fasteners-accessories/board-spacers-standoffs/582?k=standoff&k=&pkeyword=standoff&sv=0&pv741=29561&sf=0&FV=29%7C371405%2C1839%7C370197%2C1989%7C0%2C-8%7C582&quantity=&ColumnSort=-1000009&page=1&pageSize=25, ComponentLink2Description=DataSheet, ComponentLink2URL=https://www.essentracomponents.com.sg/images-line/pdfs/HTNSP.pdf
M1_RE1 M1_RE2 M1_RE3 M1_RE4 M1_RE5 M1_RE6 M1_RE7 M1_RE8 M1_RE9 M2_RE1 M2_RE2 M2_RE3 M2_RE4 M2_RE5 M2_RE6 M2_RE7 M2_RE8 M2_RE9: 13. Created Date/Name="??? / Hören", ComponentLink1Description=Info, ComponentLink2Description=DataSheet, System=Connector

## Nets (pads, with @x,y where several pads share a name; then routed paths per layer and width w, separated by ;. In a path a pad name is that pad's centre, name@x,y a point inside that pad or via, vN(x,y) a via of type N, cw(c..) or ccw(c..) an arc to the next point about the centre after c; other vN are vias at no path point)
1V0: C310.1 C311.1 C312.1 C313.1 C314.1 C315.1 C316.1 C317.1 C476.1 C477.1 D4.1 J5.2 J6.2 U7.F8 U7.F10 U7.G7 U7.G9 U7.G11 U7.H8 U7.J7 U7.J11 U7.K8 U7.L7 U7.L11 U7.M8 U7.M10 U7.N7 U7.N9 U7.N11
1V8: C9.1 C318.1 C430.1 C431.1 C432.1 C433.1 C434.1 C435.1 D4.2 D5.1 J7.2 J8.2 L1.1 U2.2 U7.F12 U7.H12 U7.K12 U7.M12
1V8A: C10.1 C471.1 L1.2 U7.H10
2V5: D5.2 D6.1 J9.2 J10.2
3V3: C1.1 C2.1 C17.1 C436.1 C437.1 C438.1 C439.1 C440.1 C441.1 C442.1 C443.1 C444.1 C445.1 C446.1 C447.1 C448.1 C449.1 C450.1 C451.1 C452.1 C453.1 C454.1 C455.1 C456.1 C457.1 C458.1 C459.1 C460.1 C461.1 C462.1 C463.1 C464.1 C465.1 C466.1 C467.1 C468.1 C469.1 D2_Input1.2 D2_Input2.2 D2_Input3.2 D2_Input4.2 D2_Input5.2 D6.2 D7.1 D8.1 J1.1 J3.1 J4.1 J11.2 J12.2 R44.2 R45.2 R46.2 R47.2 U2.9 U2.10 U4.8 U7.A7 U7.A17 U7.B10 U7.C3 U7.C13 U7.D6 U7.D16 U7.F2 U7.G5 U7.G15 U7.H18 U7.J1 U7.K4 U7.K14 U7.L17 U7.N3 U7.N13 U7.P6 U7.P8 U7.P12 U7.P16 U7.R9 U7.T2 U7.T12 U7.U5 U7.U15 U7.V8 U7.V18 U8.7 U8.8 U9.7 U9.8 X1.1 X1.17 X3_RE1.B1 X3_RE2.B2 X3_RE3.B1 X3_RE3.B2 X3_RE4.B3 X3_RE5.B1 X3_RE5.B3 X3_RE6.B2 X3_RE6.B3 X3_RE7.B1 X3_RE7.B2 X3_RE7.B3 X3_RE8.B4 X3_RE9.B1 X3_RE9.B4 X36.2 Y1.1 Y1.4
5V0: C4.1 D1.2 D8.2 Q29_Output1.2 Q29_Output2.2 Q29_Output3.2 Q29_Output4.2 Q29_Output5.2 R36_Output1.2 R36_Output2.2 R36_Output3.2 R36_Output4.2 R36_Output5.2 R99.2 R101.2 R103.2 R105.2 U1.5 U10.3 X1.2 X1.4
5V0_ref: C6.1 U2.1 U5.6
5V0R: A3.7 A3.8 C16.1 D7.2 K1_Instrument1.1 K1_Instrument2.1 K1_Instrument3.1 K1_Instrument4.1 K1_Instrument5.1 K1_Instrument6.1 K1_Instrument7.1 K1_Instrument8.1 K2.1 K3.1 K4.1 K5.1 K6.1 K7.1 K8.1 K9.1 K10.1 K11.1 K12.1 K13.1 K14.1 K15.1 K16.1 K17.1 K18.1 K19.1 K20.1 K21.1 K22.1 K23.1 K24.1 K25.1 K26.1 K27.1 K28.1 K29.1 K30.1 K31.1 K32.1 K33.1 K34.1 K35.1 K36.1 K37.1 K38.1 K39.1 K40.1 K41.1 K42.1 K43.1 K44.1 K45.1 K46.1 K47.1 K48.1 K49.1 K50.1 K51.1 K52.1 K53.1 K54.1 K55.1 K56.1 K57.1 K58.1 K59.1 K60.1 K61.1 K62.1 K63.1 K64.1 K65.1 K66.1 K67.1 K68.1 K69.1 K70.1 K71.1 K72.1 K73.1 K74.1 K75.1 X3_RE1.B9 X3_RE1.B10 X3_RE1.B11 X3_RE1.B12 X3_RE1.B13 X3_RE1.B14 X3_RE1.B15 X3_RE1.B16 X3_RE2.B9 X3_RE2.B10 X3_RE2.B11 X3_RE2.B12 X3_RE2.B13 X3_RE2.B14 X3_RE2.B15 X3_RE2.B16 X3_RE3.B9 X3_RE3.B10 X3_RE3.B11 X3_RE3.B12 X3_RE3.B13 X3_RE3.B14 X3_RE3.B15 X3_RE3.B16 X3_RE4.B9 X3_RE4.B10 X3_RE4.B11 X3_RE4.B12 X3_RE4.B13 X3_RE4.B14 X3_RE4.B15 X3_RE4.B16 X3_RE5.B9 X3_RE5.B10 X3_RE5.B11 X3_RE5.B12 X3_RE5.B13 X3_RE5.B14 X3_RE5.B15 X3_RE5.B16 X3_RE6.B9 X3_RE6.B10 X3_RE6.B11 X3_RE6.B12 X3_RE6.B13 X3_RE6.B14 X3_RE6.B15 X3_RE6.B16 X3_RE7.B9 X3_RE7.B10 X3_RE7.B11 X3_RE7.B12 X3_RE7.B13 X3_RE7.B14 X3_RE7.B15 X3_RE7.B16 X3_RE8.B9 X3_RE8.B10 X3_RE8.B11 X3_RE8.B12 X3_RE8.B13 X3_RE8.B14 X3_RE8.B15 X3_RE8.B16 X3_RE9.B9 X3_RE9.B10 X3_RE9.B11 X3_RE9.B12 X3_RE9.B13 X3_RE9.B14 X3_RE9.B15 X3_RE9.B16
12V0: A2.8 C5.1 C7.1 C8.1 C18.1 C19.1 C20.1 C21.1 C22.1 C23.1 F2.1 J2.1 R94.2 R95.2 R96.2 R97.2 R98.2 U3.B3 U3.B4 U3.B5 U3.E3 U3.E4 U3.E5 U3.H3 U3.H4 U3.H5 U3.L3 U3.L4 U3.L5 U5.4 X3_RE1.B5 X3_RE1.B6 X3_RE1.B7 X3_RE1.B8 X3_RE2.B5 X3_RE2.B6 X3_RE2.B7 X3_RE2.B8 X3_RE3.B5 X3_RE3.B6 X3_RE3.B7 X3_RE3.B8 X3_RE4.B5 X3_RE4.B6 X3_RE4.B7 X3_RE4.B8 X3_RE5.B5 X3_RE5.B6 X3_RE5.B7 X3_RE5.B8 X3_RE6.B5 X3_RE6.B6 X3_RE6.B7 X3_RE6.B8 X3_RE7.B5 X3_RE7.B6 X3_RE7.B7 X3_RE7.B8 X3_RE8.B5 X3_RE8.B6 X3_RE8.B7 X3_RE8.B8 X3_RE9.B5 X3_RE9.B6 X3_RE9.B7 X3_RE9.B8
24V0: D3_Output1.3 D3_Output2.3 D3_Output3.3 D3_Output4.3 D3_Output5.3 F1.1 X2.1 X2.2 X2.3 X31_Input1.1 X31_Input2.1 X31_Input3.1 X31_Input4.1 X31_Input5.1 X33_Output1.1 X33_Output2.1 X33_Output3.1 X33_Output4.1 X33_Output5.1
\CS0: U2.6 X1.24
\CS1: U7.A9 X1.26
\CS2: X1.31 X3_RE1.B18
\CS3: X1.29 X3_RE2.B18